# Altium PCB Thrust Stand Board.PcbDoc
Units mm, origin at the board's own origin, x right, y up, seen from the top; angles counter-clockwise.
Board outline 77 x 56 mm, 4 copper layers (Top Layer, Layer 1, Layer 2, Bottom Layer), stack 1.399 mm thick; 95 components, 59 nets, 439 pads, 286 vias.
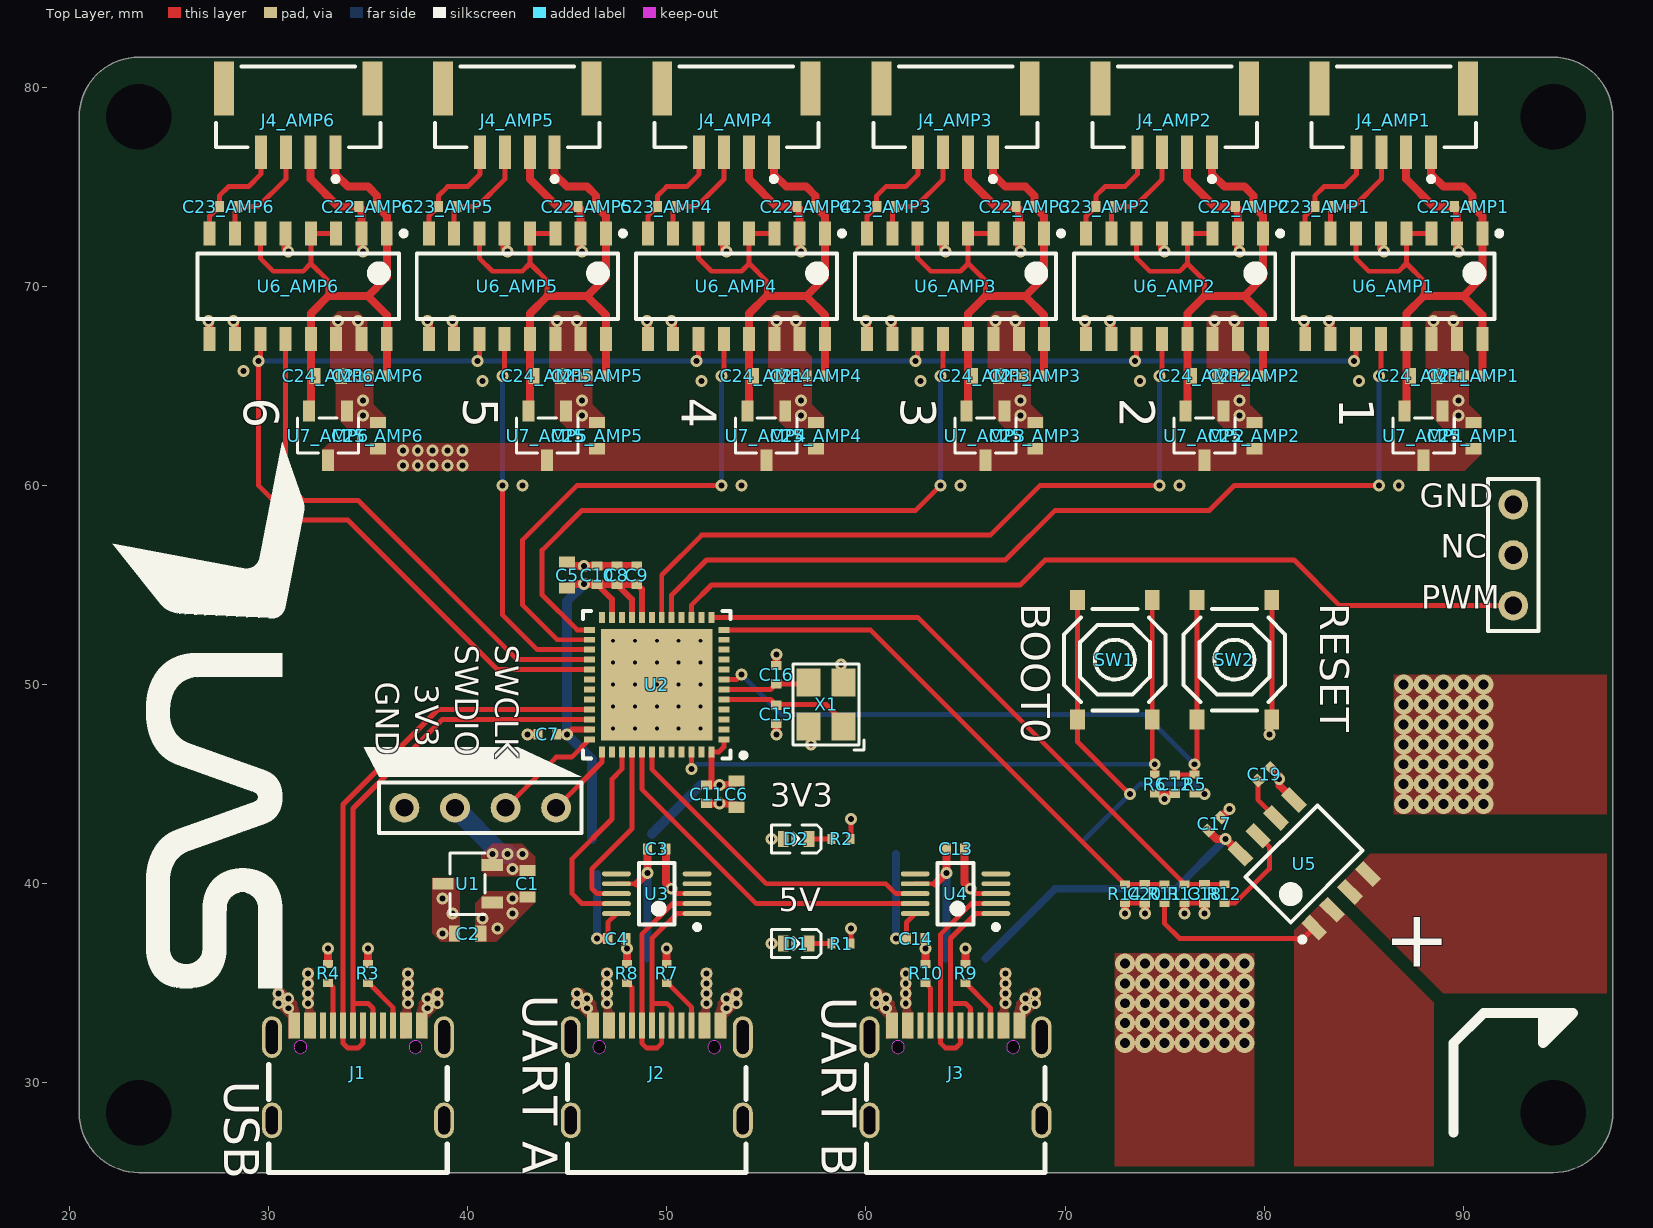
[diagram p0: Top Layer view]
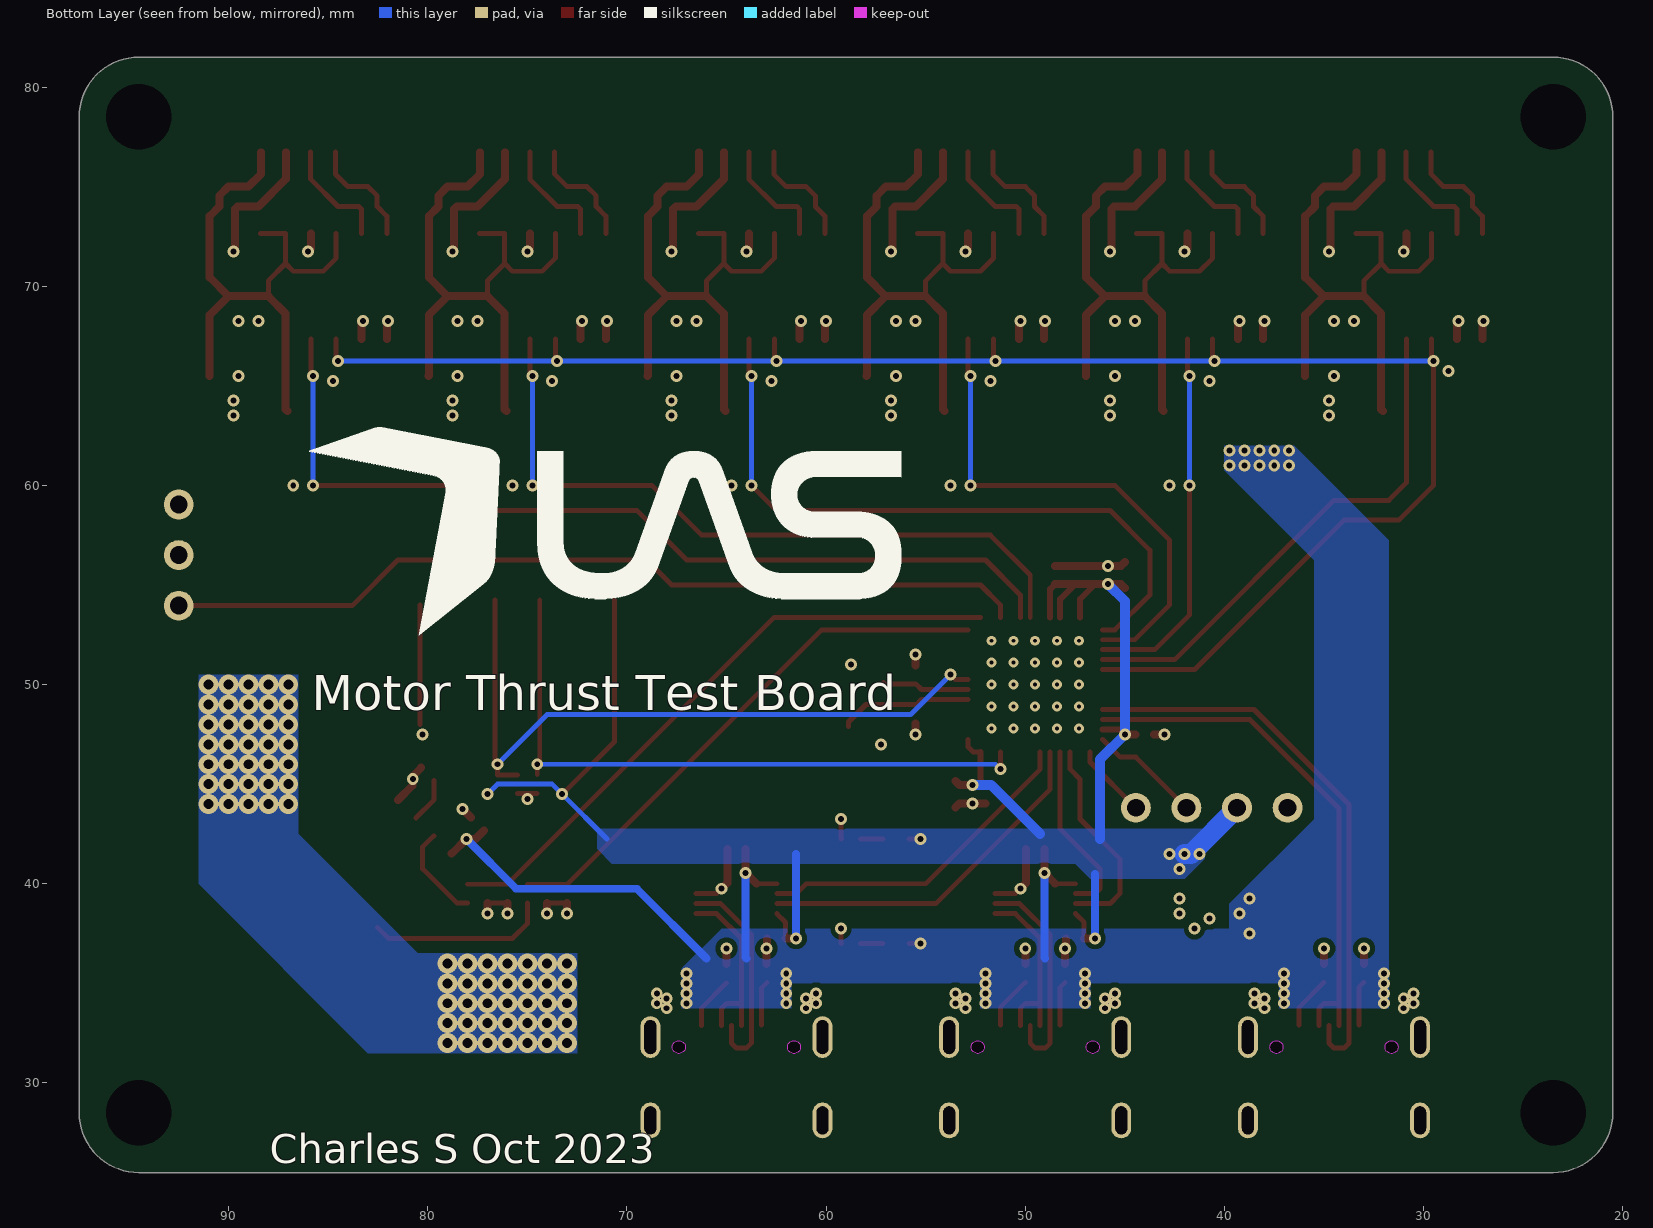
[diagram p1: Bottom Layer view, seen from below]
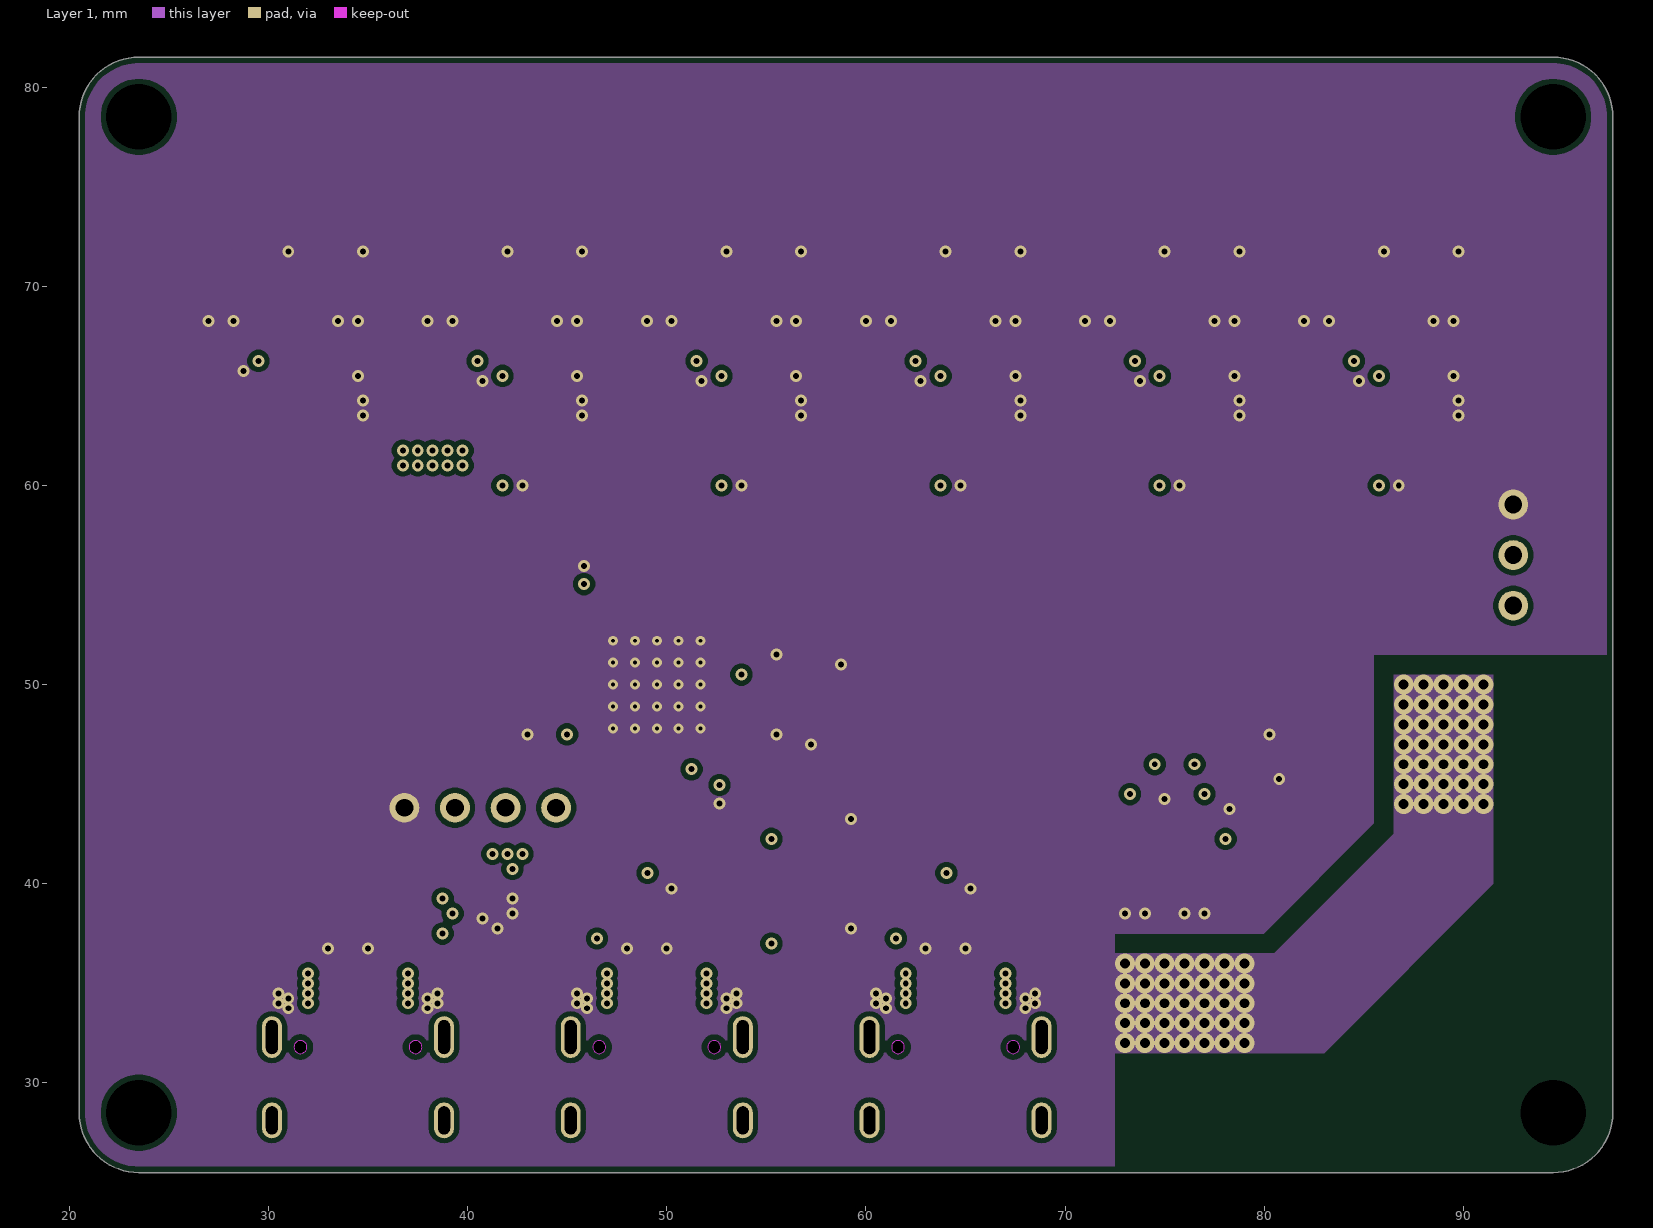
[diagram p2: Layer 1]
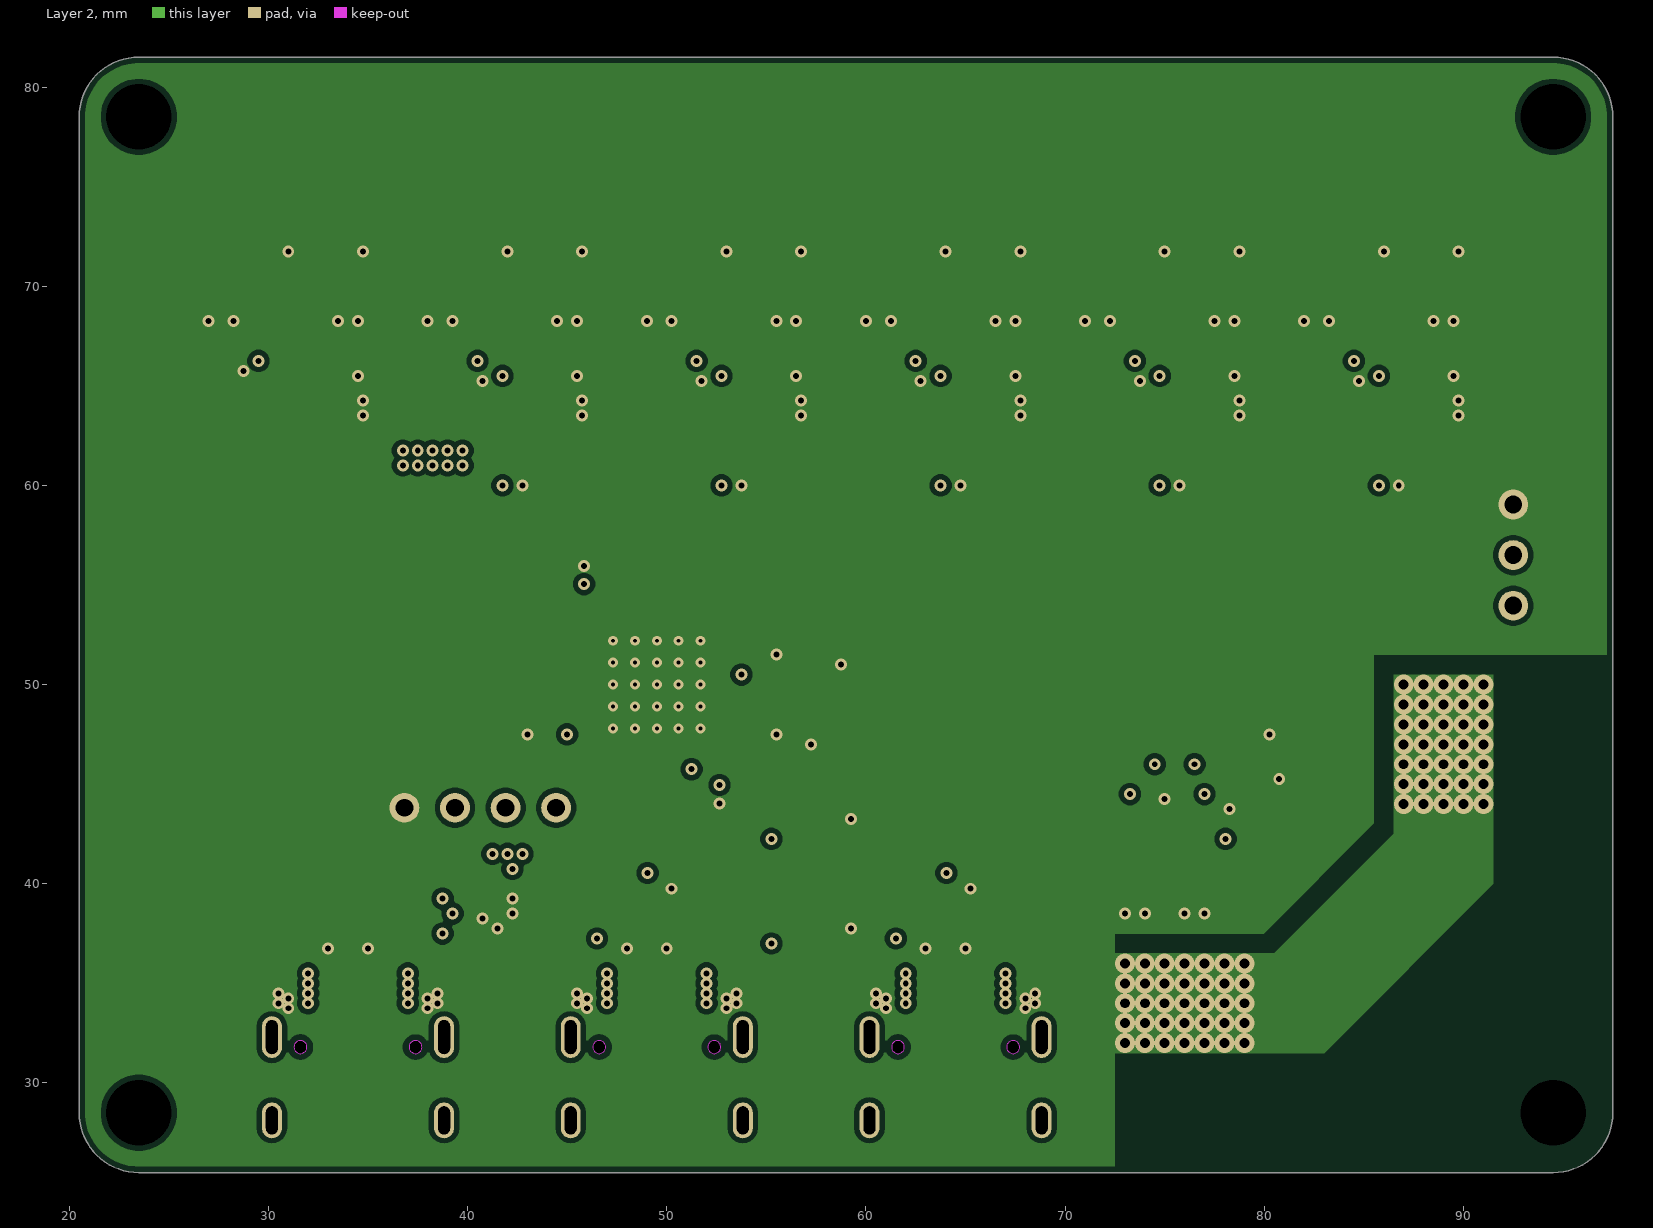
[diagram p3: Layer 2]

## Layer stack, top to bottom
Top Solder: solder mask 0.0102, Solder Resist, Dk 3.5
Top Layer: signal copper 0.035
Dielectric 2: prepreg 0.1168, PP-016, Dk 4.4
Layer 1: signal copper 0.0152
Dielectric 1: dielectric 1.065, FR-4, Dk 4.8
Layer 2: signal copper 0.0152
Dielectric 3: prepreg 0.1168, PP-016, Dk 4.4
Bottom Layer: signal copper 0.035
Bottom Solder: solder mask 0.0102, Solder Resist, Dk 3.5

## Board outline
23.5,25.5 cw(c23.5,28.5) 20.5,28.5 20.5,78.5 cw(c23.5,78.5) 23.5,81.5 94.5,81.5 cw(c94.5,78.5) 97.5,78.5 97.5,28.5 cw(c94.5,28.5) 94.5,25.5

## Design rules (kind name [scope] priority, off if disabled: settings)
BoardOutlineClearance [All] p1: gap=0.3 ignorepadtopadclearanceinfootprint=FALSE
Clearance [All] p1: gap=0.25 ignorepadtopadclearanceinfootprint=TRUE except(0: Arc-Hole Track-Hole SMDPad-Hole THPad-Hole Via-Hole Fill-Hole Poly-Hole Region-Hole Text-Hole)
DiffPairsRouting [All] p1: maxlimit=0.5 minlimit=0.2 mostfreqgap=0.25 toplayer_minwidth=0.25 toplayer_maxwidth=0.5 toplayer_prefwidth=0.25 midlayer1_minwidth=0.25 midlayer1_maxwidth=0.5 midlayer1_prefwidth=0.25 midlayer2_minwidth=0.25 midlayer2_maxwidth=0.5 midlayer2_prefwidth=0.25 bottomlayer_minwidth=0.25 bottomlayer_maxwidth=0.5 bottomlayer_prefwidth=0.25 maxuncoupledlength=10
PolygonConnect [All] p1: connectstyle=Direct reliefconductorwidth=0.254 reliefentries=4 polygonreliefangle="90 Angle" airgapwidth=0.254
RoutingVias [All] p1: holewidth=0.5 width=1 viastyle="Through Hole" minholewidth=0.3 minwidth=0.6 maxholewidth=1 maxwidth=3
SolderMaskExpansion [All] p1: expansion=0.102 istentingtop=FALSE
Width [All] p1: maxlimit=1 minlimit=0.25 preferedwidth=0.3
29 further rules are at their usual default settings.

## Classes and differential pairs
component class AMP6: C21_AMP6 C22_AMP6 C23_AMP6 C24_AMP6 C25_AMP6 J4_AMP6 U6_AMP6 U7_AMP6
component class AMP2: C21_AMP2 C22_AMP2 C23_AMP2 C24_AMP2 C25_AMP2 J4_AMP2 U6_AMP2 U7_AMP2
component class AMP4: C21_AMP4 C22_AMP4 C23_AMP4 C24_AMP4 C25_AMP4 J4_AMP4 U6_AMP4 U7_AMP4
channel class "Load Cell Amp": AMP1 AMP2 AMP3 AMP4 AMP5 AMP6
component class AMP3: C21_AMP3 C22_AMP3 C23_AMP3 C24_AMP3 C25_AMP3 J4_AMP3 U6_AMP3 U7_AMP3
component class AMP5: C21_AMP5 C22_AMP5 C23_AMP5 C24_AMP5 C25_AMP5 J4_AMP5 U6_AMP5 U7_AMP5
component class AMP1: C21_AMP1 C22_AMP1 C23_AMP1 C24_AMP1 C25_AMP1 J4_AMP1 U6_AMP1 U7_AMP1
component class Main: C1 C2 C3 C4 C8 C13 C14 C15 C17 C18 C19 C20 D1 D2 J1 J2 J3 R1 R2 R3 R4 R7 R8 R10 R11 R13 R14 SW1 SW2 U2 U3 U4 U5 X1
differential pair UARTBD: +UARTBD_P -UARTBD_N
differential pair UARTAD: +UARTAD_P -UARTAD_N
differential pair MCUD: +MCUD_P -MCUD_N

## Components (designator, comment, footprint, x,y, rotation, side; value= is the part's Value field where it differs from the comment)
C1 "4.7u" "IPC C C0603 NO SILK" 43,40 r90 top
C2 "4.7u" "IPC C C0603 NO SILK" 40,37.5 r180 top
C3 "100n" "IPC C C0402 NO SILK" 49.5,41.75 r180 top
C4 "100n" "IPC C C0402 NO SILK" 47.5,37.25 r180 top
C5 "4.7u" "IPC C C0603 NO SILK" 45,55.5 r270 top
C6 "4.7u" "IPC C C0603 NO SILK" 53.5,44.5 r90 top
C7 "100n" "IPC C C0402 NO SILK" 44,47.5 r0 top
C8 "100n" "IPC C C0402 NO SILK" 47.5,55.5 r270 top
C9 "100n" "IPC C C0402 NO SILK" 48.5,55.5 r270 top
C10 "100n" "IPC C C0402 NO SILK" 46.5,55.5 r270 top
C11 "100n" "IPC C C0402 NO SILK" 52,44.5 r90 top
C12 "100n" "IPC C C0402 NO SILK" 75.5,45 r90 top
C13 "100n" "IPC C C0402 NO SILK" 64.5,41.75 r180 top
C14 "100n" "IPC C C0402 NO SILK" 62.5,37.25 r180 top
C15 "15p" "IPC C C0402 NO SILK" 55.5,48.5 r90 top
C16 "15p" "IPC C C0402 NO SILK" 55.5,50.5 r270 top
C17 "100n" "IPC C C0402 NO SILK" 77.5,43 r225 top
C18 "100n" "IPC C C0402 NO SILK" 77,39.5 r90 top
C19 "100n" "IPC C C0402 NO SILK" 80,45.5 r225 top
C20 "100n" "IPC C C0402 NO SILK" 74,39.5 r90 top
C21_AMP1 "100n" "IPC C C0402 NO SILK" 90.5,65.5 r0 top (schematic designator C21)
C21_AMP2 "100n" "IPC C C0402 NO SILK" 79.5,65.5 r0 top (schematic designator C21)
C21_AMP3 "100n" "IPC C C0402 NO SILK" 68.5,65.5 r0 top (schematic designator C21)
C21_AMP4 "100n" "IPC C C0402 NO SILK" 57.5,65.5 r0 top (schematic designator C21)
C21_AMP5 "100n" "IPC C C0402 NO SILK" 46.5,65.5 r0 top (schematic designator C21)
C21_AMP6 "100n" "IPC C C0402 NO SILK" 35.5,65.5 r0 top (schematic designator C21)
C22_AMP1 "100n" "IPC C C0402 NO SILK" 90,74 r0 top (schematic designator C22)
C22_AMP2 "100n" "IPC C C0402 NO SILK" 79,74 r0 top (schematic designator C22)
C22_AMP3 "100n" "IPC C C0402 NO SILK" 68,74 r0 top (schematic designator C22)
C22_AMP4 "100n" "IPC C C0402 NO SILK" 57,74 r0 top (schematic designator C22)
C22_AMP5 "100n" "IPC C C0402 NO SILK" 46,74 r0 top (schematic designator C22)
C22_AMP6 "100n" "IPC C C0402 NO SILK" 35,74 r0 top (schematic designator C22)
C23_AMP1 "100n" "IPC C C0402 NO SILK" 83,74 r0 top (schematic designator C23)
C23_AMP2 "100n" "IPC C C0402 NO SILK" 72,74 r0 top (schematic designator C23)
C23_AMP3 "100n" "IPC C C0402 NO SILK" 61,74 r0 top (schematic designator C23)
C23_AMP4 "100n" "IPC C C0402 NO SILK" 50,74 r0 top (schematic designator C23)
C23_AMP5 "100n" "IPC C C0402 NO SILK" 39,74 r0 top (schematic designator C23)
C23_AMP6 "100n" "IPC C C0402 NO SILK" 28,74 r0 top (schematic designator C23)
C24_AMP1 "4.7u" "IPC C C0603 NO SILK" 88,65.5 r180 top (schematic designator C24)
C24_AMP2 "4.7u" "IPC C C0603 NO SILK" 77,65.5 r180 top (schematic designator C24)
C24_AMP3 "4.7u" "IPC C C0603 NO SILK" 66,65.5 r180 top (schematic designator C24)
C24_AMP4 "4.7u" "IPC C C0603 NO SILK" 55,65.5 r180 top (schematic designator C24)
C24_AMP5 "4.7u" "IPC C C0603 NO SILK" 44,65.5 r180 top (schematic designator C24)
C24_AMP6 "4.7u" "IPC C C0603 NO SILK" 33,65.5 r180 top (schematic designator C24)
C25_AMP1 "4.7u" "IPC C C0603 NO SILK" 90.5,62.5 r270 top (schematic designator C25)
C25_AMP2 "4.7u" "IPC C C0603 NO SILK" 79.5,62.5 r270 top (schematic designator C25)
C25_AMP3 "4.7u" "IPC C C0603 NO SILK" 68.5,62.5 r270 top (schematic designator C25)
C25_AMP4 "4.7u" "IPC C C0603 NO SILK" 57.5,62.5 r270 top (schematic designator C25)
C25_AMP5 "4.7u" "IPC C C0603 NO SILK" 46.5,62.5 r270 top (schematic designator C25)
C25_AMP6 "4.7u" "IPC C C0603 NO SILK" 35.5,62.5 r270 top (schematic designator C25)
D1 "Generic LED 0603" "IPC C D0603" 56.5,37 r0 top
D2 "Generic LED 0603" "IPC C D0603" 56.5,42.25 r0 top
J1 "USB-TYPE-C-019" USB-TYPE-C-12+4P 34.5,30.5 r0 top
J2 "USB-TYPE-C-019" USB-TYPE-C-12+4P 49.5,30.5 r0 top
J3 "USB-TYPE-C-019" USB-TYPE-C-12+4P 64.5,30.5 r0 top
J4_AMP1 "SM04B-GHS-TB(LF)(SN)" FP-SM04B-GHS-TB_LF_SN-MFG 86.5,79 r180 top (schematic designator J4)
J4_AMP2 "SM04B-GHS-TB(LF)(SN)" FP-SM04B-GHS-TB_LF_SN-MFG 75.5,79 r180 top (schematic designator J4)
J4_AMP3 "SM04B-GHS-TB(LF)(SN)" FP-SM04B-GHS-TB_LF_SN-MFG 64.5,79 r180 top (schematic designator J4)
J4_AMP4 "SM04B-GHS-TB(LF)(SN)" FP-SM04B-GHS-TB_LF_SN-MFG 53.5,79 r180 top (schematic designator J4)
J4_AMP5 "SM04B-GHS-TB(LF)(SN)" FP-SM04B-GHS-TB_LF_SN-MFG 42.5,79 r180 top (schematic designator J4)
J4_AMP6 "SM04B-GHS-TB(LF)(SN)" FP-SM04B-GHS-TB_LF_SN-MFG 31.5,79 r180 top (schematic designator J4)
R1 "5.1k" "IPC C R0402 NO SILK" 58.75,37 r180 top
R2 "5.1k" "IPC C R0402 NO SILK" 58.75,42.25 r180 top
R3 "5.1k" "IPC C R0402 NO SILK" 35,35.5 r270 top
R4 "5.1k" "IPC C R0402 NO SILK" 33,35.5 r270 top
R5 "5.1k" "IPC C R0402 NO SILK" 76.5,45 r270 top
R6 "5.1k" "IPC C R0402 NO SILK" 74.5,45 r270 top
R7 "5.1k" "IPC C R0402 NO SILK" 50,35.5 r270 top
R8 "5.1k" "IPC C R0402 NO SILK" 48,35.5 r270 top
R9 "5.1k" "IPC C R0402 NO SILK" 65,35.5 r270 top
R10 "5.1k" "IPC C R0402 NO SILK" 63,35.5 r270 top
R11 "75k" "IPC C R0402 NO SILK" 75,39.5 r270 top
R12 "1.2k" "IPC C R0402 NO SILK" 78,39.5 r270 top
R13 "3.3k" "IPC C R0402 NO SILK" 76,39.5 r90 top
R14 "4.7k" "IPC C R0402 NO SILK" 73,39.5 r90 top
SW1 "TS-1187A-B-A-B" TS-1187A-B-A-B 72.5,51.25 r270 top
SW2 "TS-1187A-B-A-B" TS-1187A-B-A-B 78.5,51.25 r270 top
U1 "XC6206P332MR" SOT23-3 40,40 r0 top
U2 "STM32G431CBU6" QFN50P700X700X60_HS-49L 49.5,50 r180 top
U3 "CH340E" MSOP-UN10_L 49.5,39.5 r180 top
U4 "CH340E" MSOP-UN10_L 64.5,39.5 r180 top
U5 "MT9223CT-50BR5" SOP127P600X175-8L 82,41 r135 top
U6_AMP1 "HX717" SOIC127P600X160-16L 86.5,70 r270 top (schematic designator U6)
U6_AMP2 "HX717" SOIC127P600X160-16L 75.5,70 r270 top (schematic designator U6)
U6_AMP3 "HX717" SOIC127P600X160-16L 64.5,70 r270 top (schematic designator U6)
U6_AMP4 "HX717" SOIC127P600X160-16L 53.5,70 r270 top (schematic designator U6)
U6_AMP5 "HX717" SOIC127P600X160-16L 42.5,70 r270 top (schematic designator U6)
U6_AMP6 "HX717" SOIC127P600X160-16L 31.5,70 r270 top (schematic designator U6)
U7_AMP1 "XC6206P332MR" SOT23-3 88,62.5 r90 top (schematic designator U7)
U7_AMP2 "XC6206P332MR" SOT23-3 77,62.5 r90 top (schematic designator U7)
U7_AMP3 "XC6206P332MR" SOT23-3 66,62.5 r90 top (schematic designator U7)
U7_AMP4 "XC6206P332MR" SOT23-3 55,62.5 r90 top (schematic designator U7)
U7_AMP5 "XC6206P332MR" SOT23-3 44,62.5 r90 top (schematic designator U7)
U7_AMP6 "XC6206P332MR" SOT23-3 33,62.5 r90 top (schematic designator U7)
X1 "25MHz" OSC-SMD_4P-L3.2-W2.5-BL 58,49 r90 top

## Footprints (in the part's own frame and the unit in brackets; to place one, negate y for a bottom-side part, rotate by r counter-clockwise, add the part's x,y. Pads: shape width x height; smd on the part's side, far side on the other; paste and mask are expansions set on the pad)
FP-SM04B-GHS-TB_LF_SN-MFG [mm]
  rect 0.6x1.7 smd paste+0 mask+0: 1(-1.875,2.275) 2(-0.625,2.275) 3(0.625,2.275) 4(1.875,2.275)
  rect 1x2.7 smd paste+0 mask+0: 5(-3.725,-0.925) 6(3.725,-0.925)
  silkscreen extent -4.13,-2.02 4.13,3.75, body extent -4.33,-2.37 4.33,3.22, height 0.25
"IPC C C0402 NO SILK" [mm] "Chip Capacitor, 2-Leads, Body 1.02x0.51mm, IPC High Density"
  rect 0.46x0.54 smd: 1(-0.46,0) 2(0.46,0)
  body extent -0.51,-0.26 0.51,0.25, height 0.51
"IPC C C0603 NO SILK" [mm] "Chip Capacitor, 2-Leads, Body 1.52x0.76mm, IPC High Density"
  rect 0.56x0.8 smd: 1(-0.66,0) 2(0.66,0)
  body extent -0.76,-0.38 0.76,0.38, height 0.77
"IPC C D0603" [mm] "Chip Diode, 2-Leads, Body 1.52x0.76mm, IPC High Density"
  rect 0.55x0.8 smd: 1(-0.65,0) 2(0.65,0)
  silkscreen extent -1.25,-0.7 1.25,0.7, body extent -0.76,-0.38 0.76,0.38, height 0.39
"IPC C R0402 NO SILK" [mm] "Chip Resistor, 2-Leads, Body 1.02x0.51mm, IPC High Density"
  rect 0.4x0.5 smd: 1(-0.475,0) 2(0.475,0)
  body extent -0.51,-0.26 0.51,0.26, height 0.26
MSOP-UN10_L [mm] "TSSOP, 10-Leads, Body 3x3mm, Pitch 0.5mm, IPC High Density"
  oval 1.45x0.25 smd: 1(-2.025,1) 2(-2.025,0.5) 3(-2.025,0) 4(-2.025,-0.5) 5(-2.025,-1) 6(2.025,-1) 7(2.025,-0.5) 8(2.025,0) 9(2.025,0.5) 10(2.025,1)
  silkscreen extent -2.15,-1.55 0.9,1.8, body extent -1.55,-1.55 1.55,1.55, height 1.1
OSC-SMD_4P-L3.2-W2.5-BL [mm]
  rect 1.4x1.2 smd mask+0.051: 1(-1.1,-0.875) 2(1.1,-0.875) 3(1.1,0.875) 4(-1.1,0.875)
  silkscreen extent -2.29,-1.9 2.03,1.65
QFN50P700X700X60_HS-49L [mm] "QFN, 48-Leads, Body 7.00x7.00mm, Pitch 0.50mm, Thermal Pad 5.60x5.60mm, IPC High Density"
  rect 0.55x0.3 smd: 1(-3.375,2.75) 2(-3.375,2.25) 3(-3.375,1.75) 4(-3.375,1.25) 5(-3.375,0.75) 6(-3.375,0.25) 7(-3.375,-0.25) 8(-3.375,-0.75) 9(-3.375,-1.25) 10(-3.375,-1.75) 11(-3.375,-2.25) 12(-3.375,-2.75) 25(3.375,-2.75) 26(3.375,-2.25) 27(3.375,-1.75) 28(3.375,-1.25) 29(3.375,-0.75) 30(3.375,-0.25) 31(3.375,0.25) 32(3.375,0.75) 33(3.375,1.25) 34(3.375,1.75) 35(3.375,2.25) 36(3.375,2.75)
  rect 0.3x0.55 smd: 13(-2.75,-3.375) 14(-2.25,-3.375) 15(-1.75,-3.375) 16(-1.25,-3.375) 17(-0.75,-3.375) 18(-0.25,-3.375) 19(0.25,-3.375) 20(0.75,-3.375) 21(1.25,-3.375) 22(1.75,-3.375) 23(2.25,-3.375) 24(2.75,-3.375) 37(2.75,3.375) 38(2.25,3.375) 39(1.75,3.375) 40(1.25,3.375) 41(0.75,3.375) 42(0.25,3.375) 43(-0.25,3.375) 44(-0.75,3.375) 45(-1.25,3.375) 46(-1.75,3.375) 47(-2.25,3.375) 48(-2.75,3.375)
  rect 5.6x5.6 smd: 49(0,0)
  silkscreen extent -4.47,-3.7 3.7,3.7, body extent -3.55,-3.55 3.55,3.55, height 0.6
SOIC127P600X160-16L [mm] "SOIC, 16-Leads, Body 9.90x3.90mm, Pitch 1.27mm, IPC High Density"
  rect 1.2x0.6 smd: 1(-2.65,4.445) 2(-2.65,3.175) 3(-2.65,1.905) 4(-2.65,0.635) 5(-2.65,-0.635) 6(-2.65,-1.905) 7(-2.65,-3.175) 8(-2.65,-4.445) 9(2.65,-4.445) 10(2.65,-3.175) 11(2.65,-1.905) 12(2.65,-0.635) 13(2.65,0.635) 14(2.65,1.905) 15(2.65,3.175) 16(2.65,4.445)
  silkscreen extent -2.77,-5.05 1.65,5.42, body extent -3,-5.05 3,5.05, height 1.6
SOP127P600X175-8L [mm] "SOP, 8-Leads, Body 4.90x3.90mm, Pitch 1.27mm, IPC High Density"
  rect 1.25x0.6 smd: 1(-2.625,1.905) 2(-2.625,0.635) 3(-2.625,-0.635) 4(-2.625,-1.905) 5(2.625,-1.905) 6(2.625,-0.635) 7(2.625,0.635) 8(2.625,1.905)
  silkscreen extent -2.75,-2.55 1.6,2.88, body extent -2,-2.55 2,2.55, height 1.75
SOT23-3 [mm]
  rect 1.07x0.6 smd mask+0.051: 1(1.235,-0.95) 2(1.235,0.95) 3(-1.235,0)
  silkscreen extent -0.88,-1.54 0.88,1.54, body extent -1.41,-1.45 1.41,1.45, height 1.5
TS-1187A-B-A-B [mm]
  rect 1x0.75 smd mask+0.15: 1(-3,1.875) 2(3,1.875) 3(-3,-1.875)
  rect 1x0.75 smd paste+0 mask+0.15: 4(3,-1.875)